# Altium PCB k210-core.PcbDoc (part 2 of 3)
Units mil, origin at the board's own origin, x right, y up, seen from the top; angles counter-clockwise.
Board outline 1855.97 x 1306.99 mil, 4 copper layers (Top Layer, GND, PWR, Bottom Layer), stack 53.912 mil thick; 94 components, 107 nets, 519 pads, 220 vias.
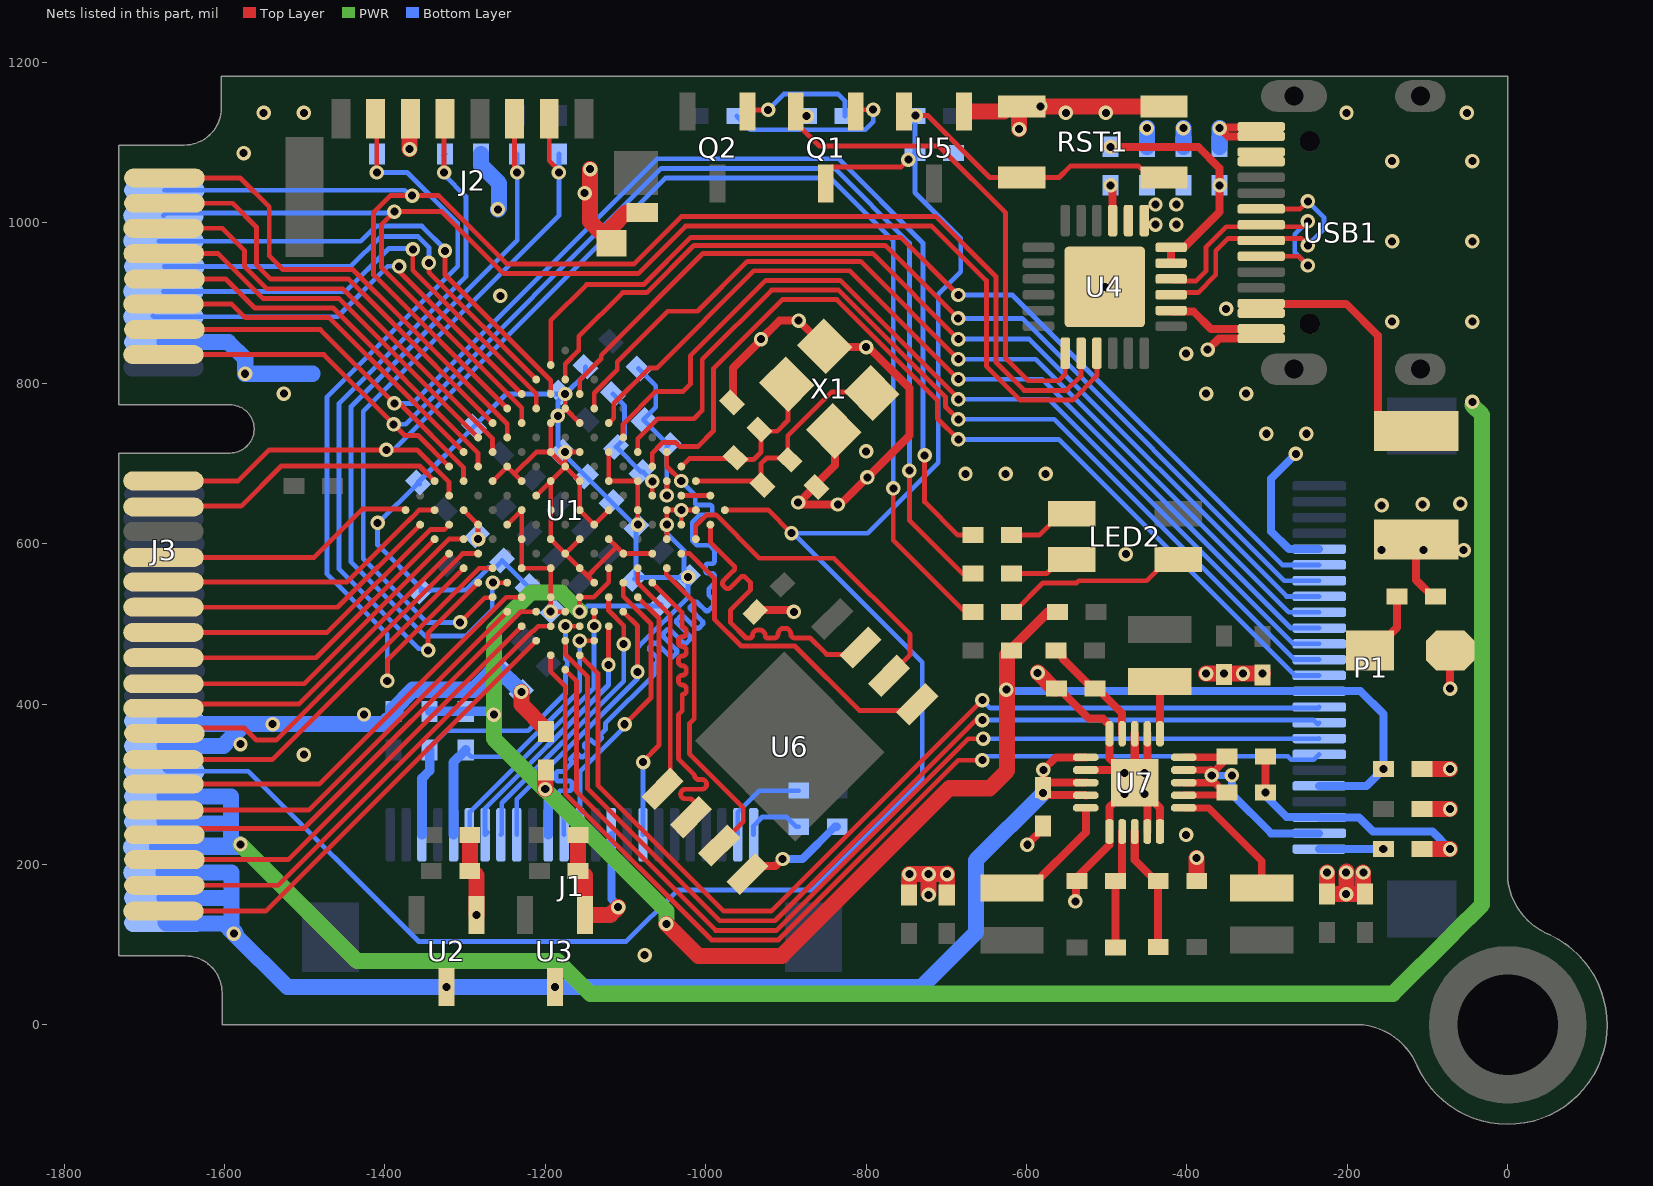
[diagram p4: the nets of this part, all layers, seen from the top]

## Via types
v1: diameter 18, hole 10, Top Layer to Bottom Layer, tented both sides, 220 vias

## Nets (pads, with @x,y where several pads share a name; then routed paths per layer and width w, separated by ;. In a path a pad name is that pad's centre, name@x,y a point inside that pad or via, vN(x,y) a via of type N, cw(c..) or ccw(c..) an arc to the next point about the centre after c; other vN are vias at no path point) (continued)
DVP_D7: J1.12 U1.M5 | length 1045
  Top Layer w6: U1.M5@-1048.43,714.19 -1048.43,696.19 v1@-1030.43,678.19
  Bottom Layer w6: J1.12@-1176.53,237 -1177,237.47 -1177,277 ccw(c-1180,277) -1179.48,279.95 ; -1163.28,337.5 -1167.53,333.25 ; -1152.04,334.72 cw(c-1154.16,336.85) -1156.28,334.73 ; -1142.07,354.47 -1139.31,351.7 ; -1135.08,351.7 -1139.31,351.7 ; -1059.88,453.12 -1064,449 -1064,436.78 -1125,375.78 -1125,368 -1130.82,362.18 ; -1059.88,457.36 -1069.54,467.03 ; -1052.58,488.23 ccw(c-1050.45,486.12) -1052.57,484 ; -1052.57,488.22 -1052.57,484 ; -1052.57,488.24 -1048.33,492.48 ; -1044.88,459.33 -1061.06,475.51 ; -1040.63,459.33 -1036.39,463.58 ; v1(-1030.43,678.09) -1030.43,677.99 -1013,660.56 -1013,651 ; -1018.63,522.18 -1014.39,526.42 ; -1010.14,526.42 -1000.48,516.76 ; -1186.54,307 ccw(c-1183.54,307) -1186.49,306.48 ; -1186.54,307 -1186.54,313 ; -1186.54,307 -1186.49,306.48 ; -1186.54,313 cw(c-1183.54,313) -1186.49,313.52 ; -1186.54,313 -1186.49,313.52 ; -1186.49,306.48 ccw(c-1183.54,307) -1185.47,304.7 ; -1186.49,313.52 cw(c-1183.54,313) -1185.47,315.3 ; -1185.47,304.7 ccw(c-1183.54,307) -1185.04,304.4 ; -1185.47,304.7 -1185.04,304.4 ; -1185.47,315.3 cw(c-1183.54,313) -1185.04,315.6 ; -1185.47,315.3 -1185.04,315.6 ; -1185.04,304.4 ccw(c-1183.54,307) -1184.56,304.18 ; -1185.04,304.4 -1184.56,304.18 ; -1185.04,315.6 cw(c-1183.54,313) -1184.56,315.82 ; -1185.04,315.6 -1184.56,315.82 ; -1184.56,304.18 ccw(c-1183.54,307) -1184.06,304.05 ; -1184.56,304.18 -1184.06,304.05 ; -1184.56,315.82 cw(c-1183.54,313) -1184.06,315.95 ; -1184.56,315.82 -1184.06,315.95 ; -1184.06,304.05 ccw(c-1183.54,307) -1183.54,304 ; -1184.06,304.05 -1183.54,304 ; -1184.06,315.95 cw(c-1183.54,313) -1183.54,316 ; -1184.06,315.95 -1183.54,316 ; -1183.54,304 -1169.85,304 ; -1183.54,316 -1177,316 -1167.53,325.47 ; -1183.22,283 ccw(c-1180.22,283) -1183.17,282.48 ; -1183.22,283 -1183.17,282.48 ; -1183.22,283 -1183.22,289 ; -1183.22,289 cw(c-1180.22,289) -1183.17,289.52 ; -1183.22,289 -1183.17,289.52 ; -1183.17,282.48 ccw(c-1180.22,283) -1180.22,280 -1180,280 ; -1183.17,289.52 cw(c-1180.22,289) -1182.15,291.3 ; -1182.15,291.3 cw(c-1180.22,289) -1181.72,291.6 ; -1182.15,291.3 -1181.72,291.6 ; -1181.72,291.6 cw(c-1180.22,289) -1181.25,291.82 ; -1181.72,291.6 -1181.25,291.82 ; -1181.25,291.82 cw(c-1180.22,289) -1180.74,291.95 ; -1181.25,291.82 -1180.74,291.95 ; -1180.74,291.95 cw(c-1180.22,289) -1180.22,292 ; -1180.74,291.95 -1180.22,292 ; -1180.22,292 -1169.85,292 ccw(c-1169.85,295) -1167.55,293.07 ; -1180,280 cw(c-1180,277) -1179.48,279.95 ; -1180,280 -1179.48,279.95 ; -1169.85,304 cw(c-1169.85,301) -1169.33,303.95 ; -1169.85,304 -1169.33,303.95 ; -1169.33,303.95 cw(c-1169.85,301) -1167.55,302.93 ; -1167.55,293.07 ccw(c-1169.85,295) -1167.25,293.5 ; -1167.55,293.07 -1167.25,293.5 ; -1167.55,302.93 cw(c-1169.85,301) -1167.25,302.5 ; -1167.55,302.93 -1167.25,302.5 ; -1167.53,325.47 ccw(c-1169.29,327.24) -1167.53,329.01 ; -1167.53,325.47 -1167.53,329.01 ; -1167.53,329.01 cw(c-1165.4,331.13) -1167.53,333.24 ; -1167.53,329.01 -1167.53,333.23 ; -1167.25,293.5 ccw(c-1169.85,295) -1167.03,293.97 ; -1167.25,293.5 -1167.03,293.97 ; -1167.25,302.5 cw(c-1169.85,301) -1167.03,302.03 ; -1167.25,302.5 -1167.03,302.03 ; -1167.03,293.97 ccw(c-1169.85,295) -1166.9,294.48 ; -1167.03,293.97 -1166.9,294.48 ; -1167.03,302.03 cw(c-1169.85,301) -1166.9,301.52 ; -1167.03,302.03 -1166.9,301.52 ; -1166.9,294.48 ccw(c-1169.85,295) -1166.85,295 ; -1166.9,294.48 -1166.85,295 ; -1166.9,301.52 cw(c-1169.85,301) -1166.85,301 ; -1166.9,301.52 -1166.85,301 ; -1166.85,295 -1166.85,301 ; -1159.05,337.51 ccw(c-1161.16,335.37) -1163.27,337.51 -1159.05,337.51 ; -1159.04,337.5 -1156.28,334.73 ; -1156.28,334.73 -1152.05,334.73 -1147.79,338.98 ; -1150.56,345.99 cw(c-1148.43,348.1) -1150.56,350.21 ; -1150.55,345.98 -1147.79,343.22 ; -1150.56,345.99 -1150.56,350.21 ; -1150.55,350.22 -1146.3,354.48 ; -1147.79,338.98 ccw(c-1149.91,341.1) -1147.78,343.21 ; -1147.79,338.98 -1147.79,343.2 ; -1146.3,354.48 cw(c-1144.19,352.35) -1142.08,354.48 -1146.3,354.48 ; -1139.31,351.7 ccw(c-1137.18,353.82) -1135.07,351.69 -1130.82,355.95 ; -1130.82,355.95 ccw(c-1132.94,358.07) -1130.82,360.19 ; -1130.82,355.95 -1130.82,360.19 ; -1130.82,360.19 cw(c-1129.82,361.18) -1130.82,362.18 ; -1130.82,360.19 -1130.82,362.18 ; -1069.54,467.03 cw(c-1067.42,469.15) -1069.55,471.26 ; -1069.54,467.03 -1069.54,471.25 ; -1069.54,471.27 -1065.3,475.51 ; -1065.29,475.52 cw(c-1063.18,473.39) -1061.06,475.52 ; -1065.29,475.52 -1061.06,475.52 ; -1052.57,484 -1036.39,467.82 ; -1044.09,492.49 ccw(c-1046.21,490.36) -1048.32,492.49 -1044.09,492.49 ; -1044.09,492.48 -1027.91,476.3 ; -1036.38,463.58 ccw(c-1038.51,465.7) -1036.38,467.81 ; -1036.38,463.58 -1036.38,467.81 ; -1035.6,500.97 cw(c-1033.48,503.09) -1035.61,505.2 ; -1035.6,500.97 -1035.6,505.19 ; -1035.6,500.97 -1019.42,484.79 ; -1035.6,505.21 -1031.36,509.45 ; -1031.35,509.46 cw(c-1029.24,507.33) -1027.12,509.46 ; -1031.35,509.46 -1027.12,509.46 ; -1027.9,476.29 ccw(c-1025.79,478.42) -1023.67,476.29 ; -1027.9,476.29 -1023.67,476.29 ; -1027.11,509.45 -1012.5,494.84 ; -1023.66,476.3 -1019.42,480.55 ; -1019.41,480.56 ccw(c-1021.54,482.67) -1019.41,484.78 ; -1019.41,480.56 -1019.41,484.78 ; -1018.63,517.94 cw(c-1016.51,520.06) -1018.64,522.17 -1018.63,517.94 ; -1018.63,517.94 -1004.01,503.32 ; -1013,651 ccw(c-1010,651) -1012.95,650.48 ; -1013,651 -1012.95,650.48 ; -1012.95,650.48 ccw(c-1010,651) -1011.93,648.7 ; -1012.49,494.83 ccw(c-1010.38,496.96) -1008.27,494.83 ; -1012.49,494.83 -1008.27,494.83 ; -1011.93,648.7 ccw(c-1010,651) -1011.5,648.4 ; -1011.93,648.7 -1011.5,648.4 ; -1011.5,648.4 ccw(c-1010,651) -1011.03,648.18 ; -1011.5,648.4 -1011.03,648.18 ; -1011.03,648.18 ccw(c-1010,651) -1010.52,648.05 ; -1011.03,648.18 -1010.52,648.05 ; -1010.52,648.05 ccw(c-1010,651) -1010,648 ; -1010.52,648.05 -1010,648 ; -1010,648 -994.72,648 ; -1008.26,494.84 -1004.01,499.09 ; -1004.01,499.09 ccw(c-1006.14,501.2) -1004.01,503.31 ; -1004.01,499.09 -1004.01,503.31 ; -1000.01,566 ccw(c-997.01,566) -999.96,565.48 ; -1000.01,566 -1000.01,572 ; -1000.01,566 -999.96,565.48 ; -1000.01,572 cw(c-997.01,572) -999.96,572.52 ; -1000.01,572 -999.96,572.52 ; -999.96,565.48 ccw(c-997.01,566) -998.94,563.7 ; -999.96,572.52 cw(c-997.01,572) -998.94,574.3 ; -998.94,563.7 ccw(c-997.01,566) -998.51,563.4 ; -998.94,563.7 -998.51,563.4 ; -998.94,574.3 cw(c-997.01,572) -998.51,574.6 ; -998.94,574.3 -998.51,574.6 ; -998.51,563.4 ccw(c-997.01,566) -998.03,563.18 ; -998.51,563.4 -998.03,563.18 ; -998.51,574.6 cw(c-997.01,572) -998.03,574.82 ; -998.51,574.6 -998.03,574.82 ; -998.03,563.18 ccw(c-997.01,566) -997.53,563.05 ; -998.03,563.18 -997.53,563.05 ; -998.03,574.82 cw(c-997.01,572) -997.53,574.95 ; -998.03,574.82 -997.53,574.95 ; -997.53,563.05 ccw(c-997.01,566) -997.01,563 ; -997.53,563.05 -997.01,563 ; -997.53,574.95 cw(c-997.01,572) -997.01,575 ; -997.53,574.95 -997.01,575 ; -997.01,563 -992.14,563 ; -997.01,575 -992.14,575 ccw(c-992.14,578) -989.84,576.07 ; -996.25,516.75 cw(c-998.36,518.88) -1000.47,516.75 -996.25,516.75 ; -996.24,516.76 -990.43,522.57 -990.43,529.99 -996.13,535.69 -996.13,543.59 -989.14,550.58 -989.14,560 ; -994.72,648 cw(c-994.72,645) -994.2,647.95 ; -994.72,648 -994.2,647.95 ; -994.2,647.95 cw(c-994.72,645) -992.42,646.93 ; -992.42,637.07 ccw(c-994.72,639) -992.12,637.5 ; -992.42,637.07 cw(c-994.72,639) -994.72,636 -1007.12,636 -1016.67,626.45 -1016.67,603.67 -1011,598 -995.14,598 -989.14,592 -989.14,578 ; -992.42,637.07 -992.12,637.5 ; -992.42,646.93 cw(c-994.72,645) -992.12,646.5 ; -992.42,646.93 -992.12,646.5 ; -992.14,563 cw(c-992.14,560) -991.62,562.95 ; -992.14,563 -991.62,562.95 ; -992.12,637.5 ccw(c-994.72,639) -991.9,637.97 ; -992.12,637.5 -991.9,637.97 ; -992.12,646.5 cw(c-994.72,645) -991.9,646.03 ; -992.12,646.5 -991.9,646.03 ; -991.9,637.97 ccw(c-994.72,639) -991.76,638.48 ; -991.9,637.97 -991.76,638.48 ; -991.9,646.03 cw(c-994.72,645) -991.76,645.52 ; -991.9,646.03 -991.76,645.52 ; -991.76,638.48 ccw(c-994.72,639) -991.72,639 ; -991.76,638.48 -991.72,639 ; -991.76,645.52 cw(c-994.72,645) -991.72,645 ; -991.76,645.52 -991.72,645 ; -991.72,639 -991.72,645 ; -991.62,562.95 cw(c-992.14,560) -989.84,561.93 ; -989.84,561.93 cw(c-992.14,560) -989.55,561.5 ; -989.85,561.93 -989.55,561.5 ; -989.84,576.07 ccw(c-992.14,578) -989.54,576.5 ; -989.84,576.07 -989.55,576.5 ; -989.55,561.5 cw(c-992.14,560) -989.32,561.03 ; -989.55,561.5 -989.32,561.03 ; -989.54,576.5 ccw(c-992.14,578) -989.32,576.97 ; -989.55,576.5 -989.32,576.97 ; -989.32,561.03 cw(c-992.14,560) -989.19,560.52 ; -989.32,561.03 -989.19,560.52 ; -989.32,576.97 ccw(c-992.14,578) -989.19,577.48 ; -989.32,576.97 -989.19,577.48 ; -989.19,560.52 cw(c-992.14,560) -989.14,560 ; -989.19,560.52 -989.14,560 ; -989.19,577.48 ccw(c-992.14,578) -989.14,578 ; -989.19,577.48 -989.14,578 ; -1059.87,453.13 ccw(c-1062,455.24) -1059.87,457.35 -1059.87,453.13 ; -1044.87,459.32 ccw(c-1042.76,461.45) -1040.64,459.32 -1044.87,459.32 ; -1014.38,526.43 cw(c-1012.27,524.3) -1010.15,526.43 -1014.38,526.43
DVP_HREF: J1.9 U1.E1 | length 347.9
  Top Layer w6: U1.E1@-1102.72,515.14 -1085,497.43 v1(-1085,440)
  Bottom Layer w6: J1.9@-1235.59,237 -1235.59,281.04 -1085,431.63 v1(-1085,440)
DVP_PCLK: J1.17 U1.F1 | length 315.6
  Top Layer w6: U1.F1@-1084.62,533.24 -1058.14,506.81 -1058.14,348.81 -1078,328.95 v1(-1078,327.5)
  Bottom Layer w6: J1.17@-1078.11,237 -1078,237.18 -1078,283.49 -1078.14,283.64 -1078.14,327.36 v1(-1078,327.5)
DVP_PWDN: J1.8 U1.E2 | length 367.7
  Top Layer w6: U1.E2@-1120.81,533.24 -1121.14,532.91 -1121.14,516.71 -1102.14,497.71 v1(-1102.14,474.81)
  Bottom Layer w6: J1.8@-1255.27,237 -1254.14,238.13 -1254.14,276.63 -1102.14,428.63 v1(-1102.14,474.81)
DVP_RST: J1.6 U1.D2 | length 343.5
  Top Layer w6: U1.D2@-1139.14,514.71 -1139.24,514.81 U1.D2@-1138.91,515.14 ; v1(-1138.91,497.3) U1.D2@-1138.91,515.14 ; U1.D2@-1138.91,515.37 U1.D2@-1138.91,515.14
  Bottom Layer w6: J1.6@-1294.64,237 -1294.14,237.5 -1294.14,265.36 -1139.14,420.36 -1139.14,497.06 v1(-1138.91,497.3)
DVP_SCL: J1.5 R3.1 U1.C1 | length 373.4
  Top Layer w6: v1(-1156.99,478.95) -1138.91,478.95 U1.C1@-1139.05,478.81
  Bottom Layer w6: R3.1@-1299.14,342.81 -1299.14,341.18 -1292.14,334.18 -1239.68,334.18 -1156.99,416.87 v1(-1156.99,478.95)
  Bottom Layer w12: J1.5@-1314.33,237 -1314.33,327.62 R3.1@-1299.14,342.81
DVP_SDA: J1.3 R5.1 U1.C2 | length 413.7
  Top Layer w6: v1(-1174.85,497.05) U1.C2@-1157,497.05 U1.C2@-1156.77,497.05
  Bottom Layer w6: R5.1@-1344.14,342.81 -1344.14,345.81 -1323.14,366.81 -1221.19,366.81 -1174.85,413.15 -1174.85,446.08 -1172.68,448.25 -1172.68,454.05 -1174.85,456.23 v1(-1174.85,497.05)
  Bottom Layer w12: J1.3@-1353.7,237 -1353.7,307.25 -1344.14,316.81 R5.1@-1344.14,342.81
DVP_VSYNC: J1.7 U1.D1 | length 328.6
  Top Layer w6: v1(-1121.14,448.81) -1121.14,494.9 -1120.14,495.9 -1121.05,496.81 U1.D1@-1120.81,497.05
  Bottom Layer w6: J1.7@-1272.14,239.82 J1.7@-1274.96,237 -1274.96,269.95 -1121.14,423.77 v1(-1121.14,448.81)
DVP_XCLK: J1.13 U1.F2 | length 365.4
  Top Layer w6: U1.F2@-1102.72,551.33 -1102.72,534.48 -1068.14,499.9 -1068.14,407.81 v1(-1101.14,374.81)
  Bottom Layer w6: J1.13@-1156.85,237 -1156.85,315.77 -1101.14,371.48 v1(-1101.14,374.81)
FLASH_CLK: U1.K1 U6.6 | length 413.8
  Top Layer w6: U1.K1@-1012.24,605.62 -1012.24,622.48 -998.91,635.81 -986.91,635.81 -932.91,581.81 -840.14,581.81 -745.14,486.81 -745.14,461.52 U6.6@-771.5,435.16
FLASH_CS: U1.G2 U6.1 | length 296
  Top Layer w6: U1.G2@-1084.62,569.43 -1084.62,551.33 -1044.04,510.75 -1044.04,304.05 U6.1@-1053.78,294.3
FLASH_IO0: U1.J1 U6.5 | length 408.4
  Top Layer w6: U1.J1@-1030.33,587.52 -1019.86,587.52 -989.14,556.81 -989.14,505.81 -955.7,472.37 -888.7,472.37 -808.14,391.81 -744.14,391.81 U6.5@-736.14,399.81
FLASH_IO1: U1.G1 U6.2 | length 399.2
  Top Layer w6: U1.G1@-1066.52,551.33 -1029.14,513.95 -1029.14,495.81 cw(c-1029.14,490.81) -1024.14,490.81 -1024.14,488.81 cw(c-1029.14,488.81) -1029.14,483.81 ccw(c-1029.14,478.92) -1034.04,478.92 -1034.04,476.7 ccw(c-1029.14,476.7) -1029.14,471.81 cw(c-1029.14,466.81) -1024.14,466.81 -1024.14,464.81 cw(c-1029.14,464.81) -1029.14,459.81 ccw(c-1029.14,454.92) -1034.04,454.92 -1034.04,452.7 ccw(c-1029.14,452.7) -1029.14,447.81 cw(c-1029.14,442.81) -1024.14,442.81 -1024.14,440.81 cw(c-1029.14,440.81) -1029.14,435.81 ccw(c-1029.14,430.92) -1034.04,430.92 -1034.04,428.7 ccw(c-1029.14,428.7) -1029.14,423.81 cw(c-1029.14,418.81) -1024.14,418.81 -1024.14,416.81 cw(c-1029.14,416.81) -1029.14,411.81 -1029.14,391.7 -1034.04,386.81 -1034.04,331.7 -1014.14,311.81 ccw(c-1008.14,311.81) -1008.14,305.81 -1004.77,305.81 cw(c-1004.77,299.81) -998.77,299.81 cw(c-1004.77,299.81) -1004.77,293.81 -1025.18,293.81 ccw(c-1025.18,287.81) -1031.18,287.81 ccw(c-1025.18,287.81) -1025.18,281.81 -1020.14,281.81 cw(c-1020.14,275.81) -1014.14,275.81 U6.2@-1014.14,266.81
FLASH_IO2: U1.H1 U6.3 | length 405.4
  Top Layer w6: U1.H1@-1049.14,571.81 -1049.14,561.81 -1014.14,526.81 -1014.14,381.81 -1020.27,375.68 -1020.27,337.94 -953.14,270.81 -953.14,253.52 U6.3@-983.06,223.6
FLASH_IO3: U1.L1 U6.7 | length 401.5
  Top Layer w6: U1.L1@-994.14,621.81 -994.14,601.81 -964.84,572.51 cw(c-967.81,569.54) -964.84,566.57 -977.91,553.5 ccw(c-974.94,550.53) -977.91,547.56 -975.37,545.01 ccw(c-972.4,547.98) -969.43,545.01 -956.36,558.08 cw(c-953.39,555.11) -950.42,558.08 -944.14,551.81 -944.14,541.81 -969.14,516.81 -969.14,501.81 -949.7,482.37 -944.53,482.37 ccw(c-944.53,485.2) -941.7,485.2 cw(c-934.5,485.2) -934.5,492.4 -932.9,492.4 cw(c-932.9,485.2) -925.7,485.2 ccw(c-922.88,485.2) -922.88,482.37 -914.51,482.37 ccw(c-914.51,487.17) -909.7,487.17 cw(c-902.5,487.17) -902.5,494.37 -900.9,494.37 cw(c-900.9,487.17) -893.7,487.17 -893.7,486.93 ccw(c-889.14,486.93) -889.14,482.37 -869.7,482.37 -849.14,461.81 -814.14,461.81 U6.7@-809.14,466.81
GND: C1.1 C2.1 C3.1 C4.1 C5.2 C6.2 C7.1 C8.1 C9.2 C10.2 C11.2 C12.2 C13.2 C14.1 C15.1 C16.1 C17.1 C18.1 C19.1 C20.1 C21.2 C22.2 C23.2 C24.1 C25.1 C26.2 C27.2 C28.2 C29.2 C30.2 C31.2 C32.2 C33.2 C34.2 C35.2 C36.2 C37.1 C38.1 C39.1 C40.1 J1.15 J2.6 J2.9 J2.10 J3.14 J3.36 J3.38 LED1.2 P1.3 P1.20 R1.2 R7.1 R16.2 R22.2 R24.2 R27.2 R28.2 RST1.1 U1.C3 U1.C4 U1.C6 U1.C9 U1.C10 U1.D5 U1.D7 U1.D8 U1.E3 U1.E4 U1.E5 U1.E6 U1.E8 U1.E10 U1.F5 U1.F7 U1.F8 U1.F9 U1.F10 U1.G3 U1.G4 U1.G5 U1.G6 U1.G8 U1.H2 U1.H5 U1.H7 U1.H8 U1.H9 U1.J2 U1.J4 U1.J6 U1.J8 U1.J10 U1.K2 U1.K3 U1.K5 U1.K7 U1.K9 U1.K10 U1.L2 U2.1 U3.1 U4.2 U4.25 U5.1 U6.4 U7.1 U7.4 U7.5 U7.12 U7.13 U7.15 U7.17 U7.21 USB1.A1 USB1.A12 USB1.B1 USB1.B12 X1.2 X1.4 | length 7075.2
  Top Layer w6: U1.C10@-1301.76,641.81 U1.C9@-1283.67,623.71 ; v1(-1283.67,605.64) U1.C9@-1283.67,623.49 ; U1.E10@-1265.57,678 U1.F10@-1247.48,696.1 -1238.43,687.05 ; U1.D8@-1247.48,623.72 U1.E8@-1229.38,641.81 ; U1.E8@-1229.38,641.81 U1.D7@-1229.38,605.62 U1.C6@-1229.38,569.43 U1.D5@-1193.19,569.43 U1.C4@-1193.19,533.24 v1@-1193.18,515.15 ; U1.F9@-1229.38,678 -1238.43,687.05 ; U1.F8@-1211.29,659.91 U1.G8@-1193.19,678 ; v1(-1193.17,515.14) U1.C3@-1175.1,515.14 ; U1.E5@-1175.1,587.52 U1.E6@-1193.19,605.62 U1.F7@-1193.19,641.81 U1.G8@-1193.19,678 ; U1.H8@-1175.09,696.33 v1(-1175.09,714.17) ; v1(-1175.09,714.17) U1.J8@-1157,714.19 ; U1.K10@-1175.1,768.71 v1(-1175.1,786.56) ; U1.F5@-1157.06,605.56 U1.E5@-1175.1,587.52 U1.E4@-1157,569.43 -1147.25,559.68 ; U1.K9@-1157,750.38 U1.K10@-1175.1,768.48 v1(-1184.14,759.43) U1.J10@-1193.19,750.38 U1.H9@-1193.19,714.19 ; U1.E3@-1138.91,551.33 -1147.25,559.68 ; U1.H5@-1120.81,641.81 U1.G5@-1138.91,623.71 U1.G6@-1157,641.81 U1.H7@-1157,678 U1.H8@-1175.1,696.1 ; U1.K7@-1120.81,714.19 U1.J6@-1120.81,678 U1.K5@-1084.62,678 U1.J4@-1084.62,641.81 ; U1.G4@-1120.81,605.62 -1111.74,596.54 ; v1(-1084.62,623.73) U1.J4@-1084.62,641.58 ; U1.H2@-1066.52,587.52 U1.G3@-1102.72,587.52 -1111.74,596.54 ; U1.J2@-1048.43,605.62 v1(-1048.43,623.73) U1.K3@-1048.43,641.58 ; U1.K3@-1048.43,641.81 v1(-1030.34,641.79) U1.K2@-1030.34,623.95 ; v1(-1030.34,641.79) U1.L2@-1012.24,641.81 ; -1238.43,687.05 -1211.29,714.19 U1.H9@-1193.19,714.19 ; U1.G8@-1193.19,678 U1.H8@-1175.1,696.1 ; U1.H9@-1193.19,714.19 U1.H8@-1175.1,696.1 ; -1147.25,559.68 -1132.73,574.19 -1132.73,574.37 -1111.74,595.36 -1111.74,596.54
  Top Layer w10: C13.2@-966,779 -966,819 -931,854 v1(-931,855) -908,878 v1(-884,878) -852.27,846.27 X1.4@-851.38,846.27 -849.99,844.87 -796.87,844.87 -746,794 -746,734.95 v1(-798.35,682.61) -799.95,681 -831.95,649 v1@-838,649 ; U6.4@-947.72,188.24 -937.97,197.98 -912.97,197.98 v1(-904.14,206.81) ; C20.1@-938.11,514.84 -935.99,516.96 -891.96,516.96 v1(-890,515) ; v1@-887,651 -882.71,651 -880.52,648.81 v1(-835.05,648.81) ; v1@-883,652 C10.2@-862.96,672.04 ; C10.2@-861.59,670.66 C10.2@-862.96,672.04 ; X1.2@-842,740 -838.86,736.86 -838.86,697.63 -863.71,672.78 C10.2@-862.96,672.04 ; v1(-598.83,224.57) -598.83,225.13 -579.14,244.81 C26.2@-579.14,247.19 ; C26.2@-584.14,242.19 C26.2@-579.14,247.19 ; C26.2@-579.14,247.81 C26.2@-579.14,247.19 ; R22.2@-562.77,419.32 -559.77,419.32 -522.26,381.81 -504.81,381.81 -496.5,373.5 U7.15@-496.5,363.02 -496.5,332.39 -490.64,326.53 -489.53,326.53 U7.21@-480.75,317.75 ; v1(-539,154) -538.07,154.93 -538.07,179.07 R27.2@-539,180 ; R27.2@-537,179 -534.62,179 -537,181.38 -537,184 -496.5,224.5 U7.1@-496.5,240.98 -496.5,271.61 -490.64,277.47 -489.53,277.47 -478,289 U7.21@-478,292 ; U7.17@-526.02,317.75 U7.21@-480.75,317.75 ; U7.21@-479,313 -479,316 U7.21@-480.75,317.75 ; U7.21@-465,318 U7.13@-465,363.02 ; U7.21@-452,287 U7.21@-451,287 ; U7.21@-452,288 U7.21@-451,287 ; U7.4@-449.25,240.98 -449.25,285.25 U7.21@-451,287 ; U7.12@-449.25,363.02 -449.25,322.25 U7.21@-449,322 ; U7.5@-433.5,240.98 -433.5,270.5 -450,287 U7.21@-451,287 ; U4.2@-419.68,890.6 -418.77,889.7 -392.03,889.7 -370.07,867.73 USB1.B12@-307.36,867.73 ; v1(-374.14,841.81) -360.03,855.92 USB1.A1@-307.36,855.92 ; USB1.B1@-307.36,1107.89 -348.98,1107.89 v1(-359.14,1118.05) -358.32,1118.88 -308.18,1118.88 USB1.A12@-307.36,1119.7 ; v1(-301.77,289.64) C23.2@-301.77,334.64 ; v1(-71.64,419.31) LED1.2@-71.64,466.81
  Top Layer w20: v1(-1369.14,1091.81) -1369.14,1129.09 J2.6@-1368.23,1130 ; C2.1@-1294.05,236.81 C1.1@-1294.05,191.81 -1291.05,191.81 -1285.6,186.36 v1(-1285.6,137) ; v1(-1229.88,415.09) -1229.88,399.55 -1199.14,368.81 C5.2@-1199.14,365.81 ; C4.1@-1159.05,236.6 C3.1@-1159.05,191.6 -1156.05,191.6 -1150.6,186.15 U3.1@-1150.6,137 -1118.95,137 v1(-1109.14,146.81) ; v1(-1144.14,1066.81) -1144.14,1001.38 -1125.95,983.19 -1125.95,981.22 -1119.22,974.49 J2.9@-1117.25,974.49 -1117.25,994.75 -1099,1013 -1086.86,1013 -1086.73,1012.88 J2.10@-1078.86,1012.88 ; C40.1@-746.73,162.03 -746.73,187.27 v1(-746,188) v1(-722,188) ; v1@-722,164 v1(-722,188) ; C39.1@-699,161 v1(-699,188) ; v1@-699,189 -700,188 v1(-722,188) ; U5.1@-677.74,1138.81 -627.77,1138.81 -621.47,1145.1 RST1.1@-605.73,1145.1 ; v1(-609.14,1116.81) -609.14,1141.68 RST1.1@-605.73,1145.1 ; v1@-585.46,439.01 -565.77,419.32 R22.2@-562.77,419.32 ; RST1.1@-428.56,1145.1 v1(-582.48,1145.1) RST1.1@-605.73,1145.1 ; R24.2@-387.73,179.48 v1(-387.73,208.22) ; v1(-376,438) v1(-353.77,438) v1(-330,438) v1(-305.72,438) C25.1@-305,438 ; v1@-225.14,190.14 C38.1@-225.14,163.03 v1(-201.49,163.03) C37.1@-180.14,163.03 ; v1@-201.14,164.03 v1@-201.14,191.14 ; v1@-180.14,190.14 C37.1@-180.14,163.03 ; C37.1@-177.83,163.27 -177.83,163.03 C37.1@-180.14,163.03 ; R16.2@-107,219 v1(-71.95,219) ; C11.2@-107,269 v1(-71.95,269) ; C14.1@-107,319 v1(-71.95,319)
  Bottom Layer w6: C16.1@-1356.54,674.13 C16.1@-1356.63,674.22 ; C15.1@-1354.88,540.09 C15.1@-1352.76,542.21 ; C31.2@-1222.34,547.4 C32.2@-1253.75,578.81 -1262.44,570.11 -1270.59,570.11 -1298.49,542.21 C15.1@-1352.76,542.21 ; R28.2@-1149.64,820.58 -1149.64,812.01 v1(-1175.1,786.56) ; C22.2@-1089.13,555.84 C22.2@-1087.01,557.97 ; -1083.14,471.81 -1021.9,533.05 v1(-1021.9,558.37) C19.1@-1022.31,557.97 ; v1(-1048.43,623.73) -1048.43,613.1 -1027.14,591.81 C19.1@-1027.14,557.97 ; v1@-1031.14,640.99 v1(-1030.34,641.79) ; C16.1@-1356.63,674.22 -1359.78,674.22 -1408,626 v1(-1409,626) -1409,598.45 C15.1@-1352.76,542.21 ; C16.1@-1356.63,674.22 C16.1@-1358.67,676.25 C17.1@-1288.67,746.25 -1248.36,786.56 v1(-1175.1,786.56) ; v1(-1175.1,786.56) -1184.14,777.51 v1(-1184.14,759.43) -1184.14,723.22 v1(-1175.09,714.17) -1175.09,709.69 C35.2@-1148.98,683.57 C29.2@-1117.57,652.17 -1089.13,623.73 v1(-1084.62,623.73) -1087.01,621.34 C22.2@-1087.01,557.97 ; C22.2@-1087.01,557.97 C19.1@-1027.14,557.97 ; C19.1@-1027.14,557.97 -1027.14,553.13 C19.1@-1022.31,557.97 ; C19.1@-1027.14,557.97 C19.1@-1022.31,557.97
  Bottom Layer w10: J1.15@-1117.48,237 -1117.48,156.77 -1109.14,148.43 v1(-1109.14,146.81) ; v1(-904.14,206.81) -879.19,206.81 -839,247 R1.2@-836,247 ; v1(-301.77,289.64) -301.77,285.32 -275.89,259.44 -235.88,259.44 P1.3@-234.98,258.53 -185.53,258.53 -168,241 -93.95,241 v1(-71.95,219) ; v1@-264.19,711.81 -295,681 -295,615.4 -272.78,593.18 P1.20@-234.98,593.18
  Bottom Layer w20: J3.38@-1674.84,347.79 -1601.14,347.81 -1597.14,351.81 ; J3.36@-1674.84,378.75 -1673.59,380 -1668.59,375 v1(-1540,375) ; J3.14@-1674.84,851.19 -1595,851.19 -1574.14,830.33 ; -1597.14,352.81 -1574.95,375 v1(-1540,375) ; v1@-1574,812 -1574,830.19 -1574.14,830.33 ; -1490,812 -1490.19,811.81 v1(-1574.14,811.81) -1574.14,830.33 ; R7.1@-1389.14,390.81 -1389.14,393.81 -1365.14,417.81 -1289.11,417.81 C18.1@-1260.86,446.07 v1(-1229.88,415.09) ; R7.1@-1386,388 -1395.19,378.81 -1396.38,380 -1401.38,375 v1(-1540,375) ; C12.2@-1280,1086 -1280,1071.61 -1257.62,1049.23 -1257.62,1018.33 v1(-1259.14,1016.81) ; -605.73,1145.1 v1(-582.48,1145.1) ; C7.1@-449.81,1094.81 v1(-449.81,1118.05) ; C8.1@-404.48,1094.81 v1(-404.48,1118.05) ; C6.2@-359.14,1094.81 v1(-359.14,1118.05)
  other v1: -1076,87 -722,162 -225,190 -201.49,190 -180,190 -401,237 -478,288 -453,288 -478,314 -453,314 -1501,337 -1580,350 -1426,387 -586.02,439.01 -476,587 -884.64,651.31 -676,687 -626,687 -576,687 -264.14,711.81 -800,715 -301,737 -251,737 -1526,787 -376,787 -326,787 -401,837 -800,845 -1256,909 -502.36,920.13 -1151,1037 -1576,1087 -1551,1137 -1501,1137 -551,1137 -501,1137 -201,1137 -51,1137